# Altium PCB vme64x6U_ctrlc.PcbDoc (part 15 of 18) (continued)
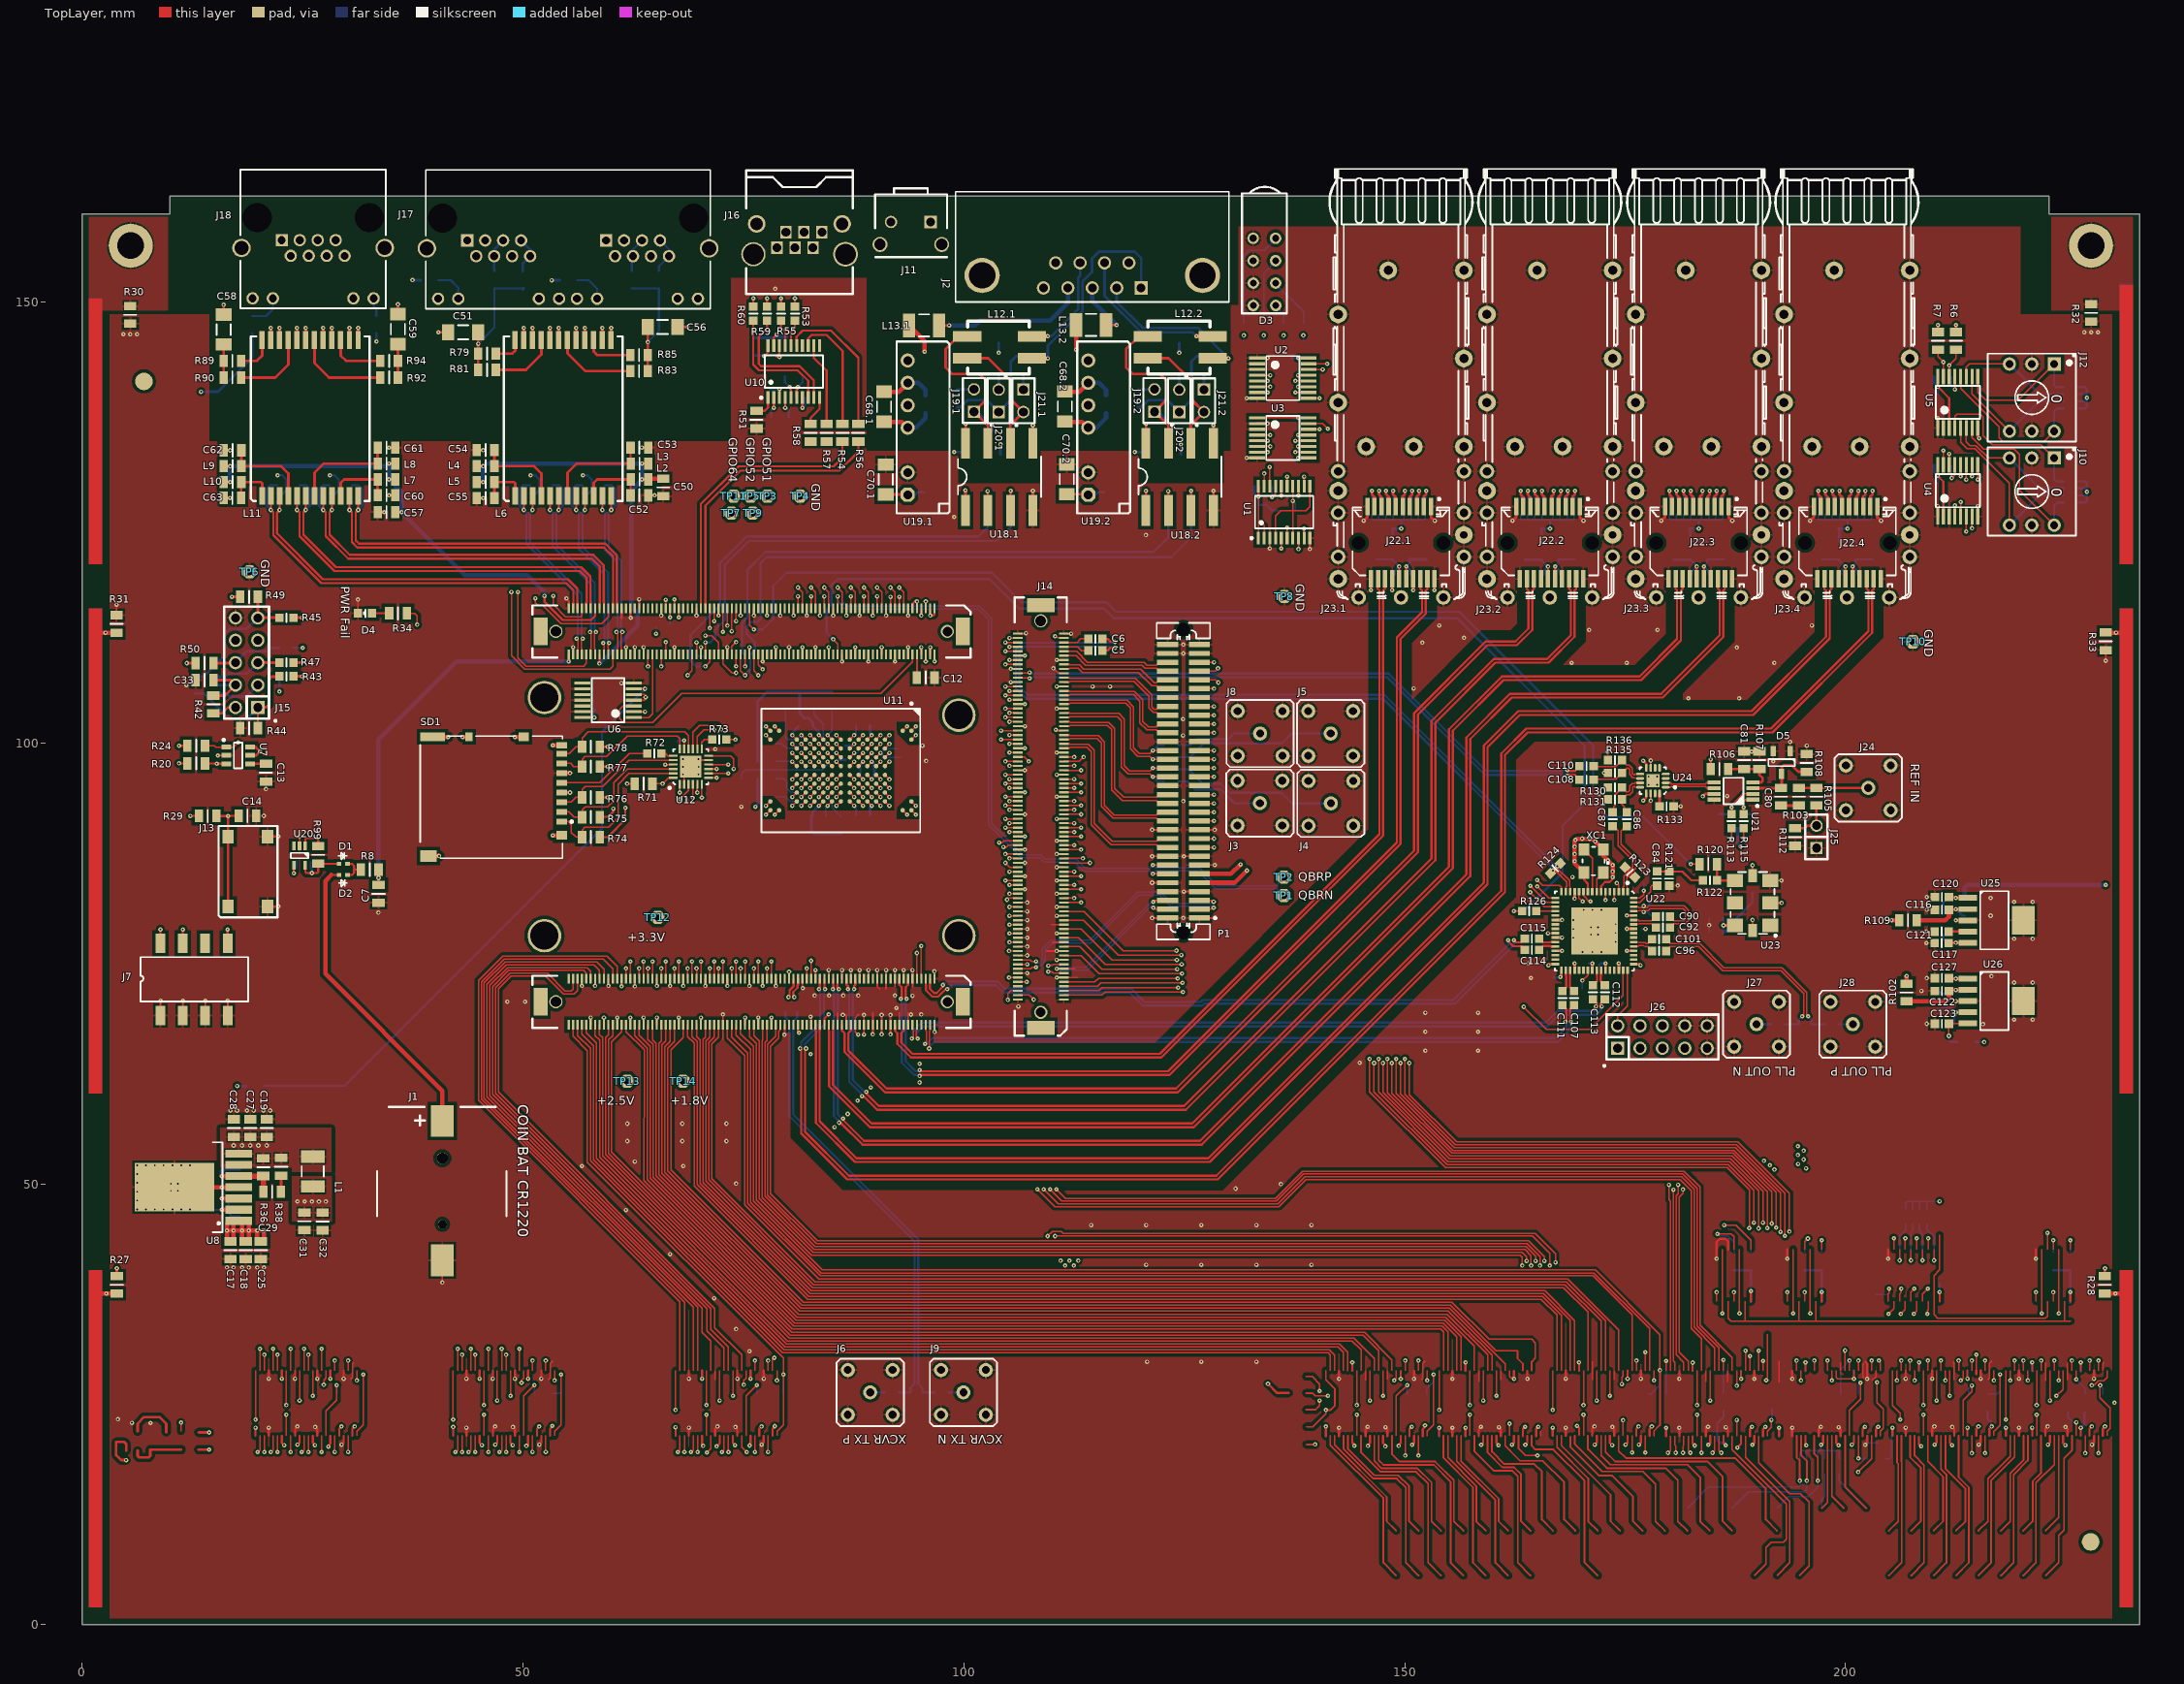
[diagram p0: TopLayer view]
## Nets (pads, with @x,y where several pads share a name; then routed paths per layer and width w, separated by ;. In a path a pad name is that pad's centre, name@x,y a point inside that pad or via, vN(x,y) a via of type N, cw(c..) or ccw(c..) an arc to the next point about the centre after c; other vN are vias at no path point) (continued)
  MidLayer4 w0.15: v1(112.5,93.4) 115.219,93.4 118.775,89.844 118.775,70.891 129.831,59.835 199.742,59.835 202.202,57.375 205.605,57.375 214.325,48.655 v1(214.325,29.95) v1@214.375,30
IO_CL13: J14.C95 | length 154.6
  TopLayer w0.15: J14.C95@111.325,94.4 v1(113.3,94.4) ; 215.825,28.825 v1(215.825,29.95)
  MidLayer4 w0.15: v1(113.3,94.4) 115.43,94.4 119.425,90.405 119.425,71.7 130.589,60.536 200.025,60.536 202.261,58.3 206.775,58.3 215.825,49.25 v1(215.825,29.95)
IO_CL14: J14.C97 | length 158.2
  TopLayer w0.15: J14.C97@111.325,94.9 v1(112.5,94.9) ; 221.6,36.675 v1(221.6,37.7)
  MidLayer4 w0.15: v1(112.5,94.9) 115.383,94.9 119.745,90.538 119.745,71.833 130.722,60.856 218.449,60.856 222.225,57.08 222.225,40.275 221.6,39.65 v1(221.6,37.7)
IO_CL15: J14.C99 | length 152.8
  TopLayer w0.15: J14.C99@111.325,95.4 v1(113.3,95.4) ; 222.9,42.575 v1(222.9,44.425)
  MidLayer4 w0.15: v1(113.3,95.4) 115.353,95.4 120.078,90.675 120.078,71.97 130.86,61.188 218.587,61.188 222.9,56.875 v1(222.9,44.425)
IO_CL16: J14.C101 | length 154.9
  TopLayer w0.15: J14.C101@111.325,95.9 v1(112.5,95.9) ; 223.55,42.575 v1(223.55,43.6)
  MidLayer4 w0.15: v1(112.5,95.9) 115.328,95.9 120.413,90.814 120.413,72.109 130.999,61.524 218.726,61.524 223.55,56.7 v1(223.55,43.6)
  BottomLayer w0.15: 223.55,42.2 v1(223.55,43.6)
IO_CL17: J14.C105 | length 161.3
  TopLayer w0.15: J14.C105@111.325,96.9 v1(113.3,96.9) ; 223.55,36.675 v1(223.55,37.7)
  MidLayer4 w0.15: v1(113.3,96.9) 115.83,96.9 122.15,90.58 122.15,70.848 131.138,61.86 218.865,61.86 224.2,56.525 224.2,40.1 223.55,39.45 v1(223.55,37.7)
IO_CL18: J14.C107 | length 157.5
  TopLayer w0.15: J14.C107@111.325,97.4 v1(112.5,97.4) ; 225.5,42.575 v1(225.5,43.6)
  MidLayer4 w0.15: v1(112.5,97.4) 115.784,97.4 122.471,90.713 122.471,70.981 131.271,62.181 218.998,62.181 224.86,56.319 224.86,50.895 225.5,50.255 v1(225.5,43.6)
  BottomLayer w0.15: 225.5,42.2 v1(225.5,43.6)
IO_CL19: J14.C109 | length 172
  TopLayer w0.15: J14.C109@111.325,97.9 113.085,97.9 v1(113.585,98.4) ; 227.675,28.825 v1(227.675,29.95)
  MidLayer4 w0.15: v1(113.585,98.4) 115.76,98.4 123.144,91.017 123.144,71.259 131.549,62.853 219.277,62.854 226.035,56.095 226.035,51.47 227.675,49.83 v1(227.675,29.95)
IO_CL20: J14.C111 | length 173
  TopLayer w0.15: J14.C111@111.325,98.4 v1(112.5,98.4) ; 228.675,28.825 v1(228.675,29.95)
  MidLayer4 w0.15: v1(112.5,98.4) 113.125,99.025 115.605,99.025 123.471,91.159 123.471,71.448 131.686,63.186 219.414,63.186 226.61,55.99 226.61,51.67 228.675,49.605 v1(228.675,29.95)
IO_CL21: J14.C115 P1.18 | length 21.4
  TopLayer w0.15: J14.C115@111.325,99.4 111.95,99.4 112.04,99.49 113.96,99.49 114.425,99.025 114.425,90.73 116.68,88.475 121.8,88.475 122.125,88.15 P1.18@123.1,88.15
IO_CL22: J14.C117 P1.20 | length 21.4
  TopLayer w0.15: J14.C117@111.325,99.9 111.95,99.9 112.01,99.84 114.105,99.84 114.775,99.17 114.775,90.875 116.825,88.825 121.8,88.825 122.125,89.15 P1.20@123.1,89.15
IO_CL23: J14.C119 P1.24 | length 19.9
  TopLayer w0.15: J14.C119@111.325,100.4 111.95,100.4 112.04,100.49 115.11,100.49 115.6,100 115.6,92.78 116.905,91.475 121.575,91.475 121.8,91.475 122.125,91.15 P1.24@123.1,91.15
IO_CL24: J14.C121 P1.26 | length 19.9
  TopLayer w0.15: J14.C121@111.325,100.9 111.95,100.9 112.01,100.84 115.255,100.84 115.95,100.145 115.95,92.925 117.05,91.825 121.575,91.825 121.8,91.825 122.125,92.15 P1.26@123.1,92.15
IO_CL25: J14.C125 P1.28 | length 19.5
  TopLayer w0.15: J14.C125@111.325,101.9 111.95,101.9 112.04,101.99 116.285,101.99 116.75,101.525 116.75,94.7 117.975,93.475 121.575,93.475 121.8,93.475 122.125,93.15 P1.28@123.1,93.15
IO_CL26: J14.C127 P1.30 | length 19.5
  TopLayer w0.15: J14.C127@111.325,102.4 111.95,102.4 112.01,102.34 116.43,102.34 117.1,101.67 117.1,94.845 118.12,93.825 121.575,93.825 121.8,93.825 122.125,94.15 P1.30@123.1,94.15
IO_CL27: J14.C129 P1.34 R9.2 R12.2 | length 19.2
  TopLayer w0.15: J14.C129@111.325,102.9 111.95,102.9 112.04,102.99 117.41,102.99 117.85,102.55 117.85,97.275 118.65,96.475 121.1,96.475 v1(121.425,96.15) P1.34@123.1,96.15
  BottomLayer w0.15: v1(121.425,96.15) 121.925,95.65 R9.2@122.725,95.65
IO_CL28: J14.C131 P1.36 R11.2 | length 19.1
  TopLayer w0.15: J14.C131@111.325,103.4 111.95,103.4 112.01,103.34 117.555,103.34 118.2,102.695 118.2,97.42 118.795,96.825 121.1,96.825 v1(121.425,97.15) P1.36@123.1,97.15
  BottomLayer w0.15: v1(121.425,97.15) 121.575,97 R11.2@122.725,97
IO_CL29: J14.C135 P1.38 R13.2 | length 18.5
  TopLayer w0.15: J14.C135@111.325,104.4 111.95,104.4 112.04,104.49 118.36,104.49 118.9,103.95 118.9,99.325 119.75,98.475 121.1,98.475 v1(121.425,98.15) P1.38@123.1,98.15
  BottomLayer w0.15: v1(121.425,98.15) 121.65,98.375 R13.2@122.725,98.375
IO_CL30: J14.C137 P1.40 R16.2 | length 18.7
  TopLayer w0.15: J14.C137@111.325,104.9 111.95,104.9 112.01,104.84 118.505,104.84 119.25,104.095 119.25,99.47 119.895,98.825 121.1,98.825 v1(121.425,99.15) P1.40@123.1,99.15
  BottomLayer w0.15: v1(121.425,99.15) 122.025,99.75 R16.2@122.725,99.75
IO_CL31: J14.C139 P1.44 | length 15.1
  TopLayer w0.15: J14.C139@111.325,105.4 111.95,105.4 112.04,105.49 119.21,105.49 119.95,104.75 119.95,102.275 120.75,101.475 121.8,101.475 122.125,101.15 P1.44@123.1,101.15
IO_CL32: J14.C141 P1.46 | length 15
  TopLayer w0.15: J14.C141@111.325,105.9 111.95,105.9 112.01,105.84 119.355,105.84 120.3,104.895 120.3,102.45 120.925,101.825 121.8,101.825 122.125,102.15 P1.46@123.1,102.15
IO_CL33: J14.C145 P1.48 | length 14.2
  TopLayer w0.15: J14.C145@111.325,106.9 111.95,106.9 112.04,106.99 119.285,106.99 120.975,105.3 120.975,103.972 121.472,103.475 121.8,103.475 122.125,103.15 P1.48@123.1,103.15
IO_CL34: J14.C147 P1.50 | length 14.2
  TopLayer w0.15: J14.C147@111.325,107.4 111.95,107.4 112.01,107.34 119.43,107.34 121.325,105.445 121.325,104.075 121.575,103.825 121.8,103.825 122.125,104.15 P1.50@123.1,104.15
IO_CL35: J14.C151 P1.54 | length 12.8
  TopLayer w0.15: J14.C151@111.325,108.4 111.95,108.4 112.04,108.49 112.96,108.49 113.45,108 119.8,108 121.325,106.475 121.8,106.475 122.125,106.15 P1.54@123.1,106.15
IO_CL36: J14.C153 P1.56 | length 12.8
  TopLayer w0.15: J14.C153@111.325,108.9 111.95,108.9 112.01,108.84 113.105,108.84 113.595,108.35 120.05,108.35 121.575,106.825 121.8,106.825 122.125,107.15 P1.56@123.1,107.15
IO_CL37: J14.C157 P1.58 | length 12.5
  TopLayer w0.15: J14.C157@111.325,109.9 112.725,109.9 113.8,108.825 120.225,108.825 120.575,108.475 121.8,108.475 122.125,108.15 P1.58@123.1,108.15
IO_CL38: J14.C159 P1.60 | length 12.6
  TopLayer w0.15: J14.C159@111.325,110.4 112.775,110.4 114.025,109.15 120.45,109.15 120.775,108.825 121.8,108.825 122.125,109.15 P1.60@123.1,109.15
IO_CL39: C5.1 J14.C161 | length 3
  TopLayer w0.15: J14.C161@111.325,110.9 112.925,110.9 113.35,110.475 C5.1@114.1,110.475
IO_CL40: C6.1 J14.C163 | length 2.9
  TopLayer w0.15: J14.C163@111.325,111.4 112.85,111.4 113.25,111.8 C6.1@114.1,111.8
IO_CL_FX1: J14.C3 | length 119.1
  TopLayer w0.15: J14.C3@111.325,71.4 115.675,71.4 116.025,71.75 v1(124.85,71.75) ; v1(147.525,63.7) 147.525,60.364 155.064,52.825 186.965,52.825 190.625,49.165 v1(190.625,45.6) ; v1(194.95,27.7) 194.95,28.825
  MidLayer3 w0.15: v1(124.85,71.75) 125.03,71.57 144.4,71.57 147.525,68.445 v1(147.525,63.7) ; v1(190.625,45.6) 190.625,44.575 190.921,44.279 190.921,34.541 192.697,32.765 194.68,32.765 194.95,32.495 v1(194.95,27.7)
IO_CL_FX2: J14.C5 | length 116.6
  TopLayer w0.15: J14.C5@111.325,71.9 115.325,71.9 115.675,72.25 v1(124.3,72.25) ; v1(147.025,64.175) 147.025,60.405 154.93,52.5 186.831,52.5 190.125,49.206 v1(190.125,44.95) ; 194.45,28.825 v1(194.45,29.95)
  MidLayer3 w0.15: v1(124.3,72.25) 124.3,71.6 124.65,71.25 144.02,71.25 147.025,68.245 v1(147.025,64.175) ; v1(190.125,44.95) 190.125,44.575 190.6,44.1 190.6,34.41 192.565,32.445 194.275,32.445 194.45,32.27 v1(194.45,29.95)
IO_CL_FX3: J14.C7 | length 116.1
  TopLayer w0.15: J14.C7@111.325,72.4 115.15,72.4 115.55,72.8 v1(124.8,72.8) ; v1(146.525,63.7) 146.525,60.424 154.789,52.16 186.69,52.16 189.6,49.25 v1(189.6,45.6) ; 190.15,28.8 v1(190.15,31.075)
  MidLayer3 w0.15: v1(124.8,72.8) 123.975,72.8 123.775,72.6 123.775,71.55 124.425,70.9 143.645,70.9 146.525,68.02 v1(146.525,63.7) ; v1(189.6,45.6) 189.6,44.6 190.271,43.929 190.271,33.646 190.15,33.525 v1(190.15,31.075) v1@190.175,31.1
IO_CL_FX4: J14.C9 | length 116.2
  TopLayer w0.15: J14.C9@111.325,72.9 114.85,72.9 115.25,73.3 v1(124.25,73.3) ; v1(146.025,64.175) 146.025,60.45 154.65,51.825 186.551,51.825 189.075,49.301 v1(189.075,44.97) ; 188.65,28.8 v1(188.65,31.075)
  MidLayer3 w0.15: v1(124.25,73.3) 123.9,73.3 123.35,72.75 123.35,71.325 124.15,70.525 143.35,70.525 146.025,67.85 v1(146.025,64.175) ; v1(188.65,31.075) 188.65,32.5 189.936,33.786 189.936,43.789 189.075,44.65 v1(189.075,44.97)
IO_CL_FX5: J14.C21 | length 120.3
  TopLayer w0.15: J14.C21@111.325,75.9 113.295,75.9 115.345,73.85 v1(124.75,73.85) ; v1(148.025,64.175) 148.025,60.324 155.199,53.15 187.1,53.15 191.125,49.125 v1(191.125,44.975) ; 196.45,28.825 v1(196.45,29.95)
  MidLayer3 w0.15: v1(124.75,73.85) 143.1,73.85 148.025,68.925 v1(148.025,64.175) ; v1(191.125,44.975) 191.125,44.6 191.241,44.484 191.241,34.674 192.83,33.085 196.06,33.085 196.45,32.695 v1(196.45,29.95)
IO_CL_FX6: J14.C25 | length 122.7
  TopLayer w0.15: J14.C25@111.325,76.9 113.12,76.9 115.67,74.35 v1(124.2,74.35) ; v1(148.525,63.7) 148.525,60.283 155.333,53.475 187.235,53.475 191.625,49.085 v1(191.625,45.5) ; 197.95,28.825 v1(197.95,29.95)
  MidLayer3 w0.15: v1(124.2,74.35) 143.65,74.35 148.525,69.475 v1(148.525,63.7) ; v1(191.625,45.5) 191.625,43.789 191.561,43.725 191.561,34.806 192.962,33.405 197.29,33.405 197.95,32.745 v1(197.95,29.95)
IO_CL_FX7: J14.C29 | length 126.5
  TopLayer w0.15: J14.C29@111.325,77.9 113.02,77.9 116.02,74.9 v1(124.7,74.9) ; v1(149.025,64.175) 149.025,60.243 155.468,53.8 187.369,53.8 192.125,49.044 v1(192.125,45.025) ; v1(198.45,27.7) 198.45,28.825
  MidLayer3 w0.15: v1(124.7,74.9) 144.15,74.9 149.025,70.025 v1(149.025,64.175) ; v1(192.125,45.025) 192.125,43.669 191.881,43.425 191.881,34.939 193.095,33.725 197.695,33.725 198.45,32.97 v1(198.45,27.7)
IO_CL_FX8: J14.C33 | length 126.3
  TopLayer w0.15: J14.C33@111.325,78.9 113.32,78.9 116.82,75.4 v1(124.15,75.4) ; v1(149.525,63.7) 149.525,60.203 155.603,54.125 187.504,54.125 192.625,49.004 v1(192.625,44.55) ; 199.95,28.825 v1(199.95,31.1)
  MidLayer3 w0.15: v1(124.15,75.4) 144.7,75.4 149.525,70.575 v1(149.525,63.7) ; v1(192.625,44.55) 192.625,43.45 192.201,43.026 192.201,35.071 193.228,34.045 198.35,34.045 199.95,32.445 v1(199.95,31.1)
IO_CL_FX9: J14.C37 | length 128.6
  TopLayer w0.15: J14.C37@111.325,79.9 113.57,79.9 117.52,75.95 v1(124.65,75.95) ; v1(150.025,64.175) 150.025,60.162 155.737,54.45 187.639,54.45 193.125,48.964 v1(193.125,44.1) ; 201.45,28.825 v1(201.45,29.95)
  MidLayer3 w0.15: v1(124.65,75.95) 145.2,75.95 150.025,71.125 v1(150.025,64.175) ; v1(193.125,44.1) 193.125,43.3 192.55,42.725 192.55,35.57 193.695,34.425 199.725,34.425 201.45,32.7 v1(201.45,29.95)
IO_CL_FX10: J14.C41 | length 139.9
  TopLayer w0.15: J14.C41@111.325,80.9 113.62,80.9 118.07,76.45 v1(124.1,76.45) ; v1(150.525,63.7) 150.525,60.122 155.872,54.775 187.773,54.775 193.625,48.923 v1(193.625,44.575) ; v1(203.575,27.5) 203.575,25.175 204.3,24.45 204.3,22.3 203.95,21.95 203.95,21.425 203.95,21.4
  MidLayer3 w0.15: v1(124.1,76.45) 145.75,76.45 150.525,71.675 v1(150.525,63.7) ; v1(193.625,44.575) 193.625,43.3 192.904,42.579 192.904,35.716 193.86,34.76 199.86,34.76 202.3,32.32 202.3,28.775 v1(203.575,27.5)
  BottomLayer w0.15: 203.525,26.125 203.575,26.175 v1(203.575,27.5)
IO_CL_FX11: J14.C45 | length 179
  TopLayer w0.15: J14.C45@111.325,81.9 v1(113.3,81.9) ; 213.325,21.425 213.325,25.475 214.325,26.475 v1(214.325,27.125)
  MidLayer3 w0.15: v1(113.3,81.9) 114.075,81.9 114.475,81.5 114.475,67.85 126.889,55.436 217.209,55.436 226.86,45.785 226.86,31.135 226.185,30.46 226.185,29.96 226.18,29.955 226.18,28.855 224.495,27.17 218.278,27.17 218.085,27.363 218.085,28.935 217.745,29.275 215.05,29.275 214.325,28.55 v1(214.325,27.125)
  BottomLayer w0.15: 213.95,26.125 213.95,26.75 v1(214.325,27.125)
IO_CL_FX12: J14.C47 | length 179.1
  TopLayer w0.15: J14.C47@111.325,82.4 v1(112.5,82.4) ; 216.825,21.425 216.825,21.9 217.525,22.6 v1(217.525,28.4)
  MidLayer3 w0.15: v1(112.5,82.4) 114.225,82.4 114.795,81.83 114.795,81.375 114.795,67.983 127.021,55.756 217.341,55.756 227.18,45.918 227.18,27.855 226.175,26.85 218.145,26.85 217.525,27.47 v1(217.525,28.4)
  BottomLayer w0.15: 216.1,26.175 217.2,26.175 217.525,26.5 v1(217.525,28.4)
IO_CL_FX13: J14.C51 | length 393.1
  TopLayer w0.15: v1(26.15,25.95) 26.15,28.825 ; v1(48.575,25.95) 48.575,28.825 ; v1(73.8,25.95) 73.8,28.825 ; J14.C51@111.325,83.4 v1(113.3,83.4) ; v1(147.55,25.95) 147.55,28.825 ; v1(160.4,25.95) 160.4,28.825 ; v1(173.275,25.95) 173.275,28.825 ; v1(211.825,25.95) 211.825,28.825 ; v1(223.925,25.95) 224.675,26.7 224.675,28.825
  TopLayer w0.2: 138.825,26.275 139.5,26.275 139.825,25.95 v1(141.3,25.95)
  MidLayer3 w0.15: v1(113.3,83.4) 113.9,83.4 115.115,82.185 115.115,68.115 127.154,56.076 217.474,56.076 227.5,46.05 227.5,32.42 229.375,30.545 229.375,26.628 228.697,25.95 v1(223.925,25.95)
  MidLayer3 w0.2: v1(26.15,25.95) v1(48.575,25.95) v1(73.8,25.95) 81.293,25.95 85.642,21.6 103.88,21.6 ; 103.88,21.605 108.225,25.95 v1(141.3,25.95) ; v1@141.325,25.925 v1(141.3,25.95) ; v1(223.925,25.95) v1(211.825,25.95) v1(173.275,25.95) v1(160.4,25.95) v1(147.55,25.95) v1(141.3,25.95)
IO_CL_FX14: J14.C53 | length 407.1
  TopLayer w0.15: v1(23.15,24.9) 23.15,28.825 ; v1(45.575,24.9) 45.575,28.825 ; v1(70.8,24.9) 70.8,28.825 ; J14.C53@111.325,83.9 v1(112.5,83.9) ; v1(144.55,24.9) 144.55,28.825 ; v1(157.4,24.9) 157.4,28.825 ; v1(170.275,24.9) 170.275,28.825 ; v1(183.15,24.9) 183.15,28.8 ; v1(208.825,24.9) 208.825,28.825 ; v1(221.675,24.9) 221.675,28.825
  MidLayer3 w0.15: v1(112.5,83.9) 114.175,83.9 115.44,82.635 115.44,68.25 127.288,56.401 217.608,56.401 227.825,46.185 227.825,32.555 229.7,30.68 229.7,26.5 228.83,25.63 224.73,25.63 224,24.9 v1(221.675,24.9)
  MidLayer3 w0.2: v1(23.15,24.9) v1(45.575,24.9) v1(70.8,24.9) 80.858,24.9 85.208,20.55 104.315,20.55 ; 104.315,20.555 108.66,24.9 v1(144.55,24.9) v1(157.4,24.9) v1(170.275,24.9) v1(183.15,24.9) v1(208.825,24.9) v1(221.675,24.9)
IO_CL_FX15: J14.C57 | length 351.5
  TopLayer w0.15: v1(67.3,24.35) 67.3,28.825 ; J14.C57@111.325,84.9 v1(113.3,84.9) ; v1(153.9,24.35) 153.9,28.825 ; v1(166.775,24.35) 166.775,28.825
  TopLayer w0.2: 138.85,22.45 139.575,22.45 141.05,23.925 v1(141.05,24.35) 141.59,24.35 142.06,24.82 142.06,26.77 141.05,27.78 141.05,28.825
  MidLayer3 w0.15: v1(113.3,84.9) 113.825,84.9 115.765,82.96 115.765,68.384 127.423,56.726 217.743,56.726 228.15,46.319 228.15,32.689 230.025,30.814 230.025,26.372 228.963,25.31 225.035,25.31 224.075,24.35 218.175,24.35
  MidLayer3 w0.2: v1(67.3,24.35) 80.63,24.35 84.98,20 104.543,20 ; 104.543,20.005 108.888,24.35 v1(141.05,24.35) v1(153.9,24.35) v1(166.775,24.35) 205.825,24.35 218.175,24.35
IO_CL_FX16: J14.C59 | length 398.1
  TopLayer w0.15: 23.15,21.425 v1(23.15,23.825) ; 45.575,21.425 v1(45.575,23.825) ; 70.8,21.425 v1(70.8,23.825) ; J14.C59@111.325,85.4 v1(112.5,85.4) ; 144.55,21.425 v1(144.55,23.825) ; 157.4,21.425 v1(157.4,23.825) ; 170.275,21.425 v1(170.275,23.825) ; 183.15,21.4 v1(183.15,23.825) ; 208.825,21.425 v1(208.825,23.825) ; 221.675,21.425 v1(221.675,23.825)
  MidLayer3 w0.15: v1(112.5,85.4) 113.925,85.4 116.105,83.22 116.105,68.525 127.564,57.066 217.889,57.066 228.475,46.48 228.475,32.825 230.36,30.94 230.36,26.235 229.1,24.975 225.275,24.975 224.125,23.825 v1(221.675,23.825)
  MidLayer3 w0.2: v1(23.15,23.825) v1(45.575,23.825) v1(70.8,23.825) ; 72.55,23.825 v1(70.8,23.825) ; 104.761,19.475 84.762,19.475 80.412,23.825 v1(70.8,23.825) ; 104.761,19.48 109.106,23.825 v1(144.55,23.825) v1(157.4,23.825) v1(183.15,23.825) v1(208.825,23.825) v1(221.675,23.825)
IO_CLK4N_AL26: J14.A87
IO_CR1: J14.C66 | length 79.8
  TopLayer w0.15: 76.3,28.825 v1(76.3,29.95) ; v1(105.175,86.9) J14.C66@106.125,86.9
  MidLayer4 w0.15: v1(76.3,29.95) 77.965,31.615 92.282,31.615 102.965,42.298 102.965,85.44 104.425,86.9 v1(105.175,86.9)
IO_CR2: J14.C68 | length 103.9
  TopLayer w0.15: 52.575,28.825 v1(52.575,29.95) ; v1(104.7,87.4) J14.C68@106.125,87.4
  MidLayer4 w0.15: v1(52.575,29.95) 54.56,31.935 92.15,31.935 102.645,42.43 102.645,85.92 104.125,87.4 v1(104.7,87.4)
IO_CR3: J14.C72 | length 106
  TopLayer w0.15: 51.075,28.825 v1(51.075,29.95) ; v1(104.475,88.2) 104.85,88.2 105.05,88.4 J14.C72@106.125,88.4
  MidLayer4 w0.15: v1(51.075,29.95) 53.38,32.255 92.017,32.255 102.325,42.563 102.325,86.3 103.85,87.825 104.1,87.825 v1(104.475,88.2)
IO_CR4: J14.C74 | length 127.3
  TopLayer w0.15: 30.15,28.825 v1(30.15,29.95) ; v1(104,88.7) 104.35,88.7 104.55,88.9 J14.C74@106.125,88.9
  MidLayer4 w0.15: v1(30.15,29.95) 32.775,32.575 91.885,32.575 102.005,42.695 102.005,86.68 v1@104.013,88.687
IO_CR5: J14.C78 | length 129.4
  TopLayer w0.15: 28.65,28.825 v1(28.65,29.95) ; v1(105.175,89.9) J14.C78@106.125,89.9
  MidLayer4 w0.15: v1(28.65,29.95) 31.6,32.9 91.75,32.9 101.68,42.83 101.68,87.105 104.475,89.9 v1(105.175,89.9)
IO_CR6: J14.C80 | length 160.9
  TopLayer w0.15: v1(104.7,90.4) J14.C80@106.125,90.4 ; 179.65,28.8 v1(179.65,29.925)
  MidLayer3 w0.15: v1(104.7,90.4) 103.26,88.96 103.26,68.141 116.326,55.075 193.45,55.075 194.255,54.27 v1(194.585,54.27)
  MidLayer4 w0.15: v1(179.65,29.925) 179.65,45.562 188.923,54.835 193.1,54.835 193.665,54.27 v1(194.585,54.27)
  BottomLayer w0.15: 179.65,26.15 v1(179.65,29.925)
IO_CR7: J14.C82 | length 162.4
  TopLayer w0.15: v1(105.175,90.9) J14.C82@106.125,90.9 ; 186.15,28.8 v1(186.15,30.025)
  MidLayer3 w0.15: v1(105.175,90.9) 104.275,90.9 102.94,89.565 102.94,68.008 116.193,54.755 193.145,54.755 194.14,53.76 v1(195.235,53.76)
  MidLayer4 w0.15: v1(186.15,30.025) 186.15,33.55 183.875,35.825 183.875,49.31 189.08,54.515 192.968,54.515 193.723,53.76 v1(195.235,53.76)
  BottomLayer w0.15: 186.15,26.275 v1@186.15,29.925
IO_CR8: J14.C84 | length 149.9
  TopLayer w0.15: v1(104.7,91.4) J14.C84@106.125,91.4 ; 185.375,36.675 v1(185.375,37.7)
  MidLayer3 w0.15: v1(104.7,91.4) 104.15,91.4 102.62,89.87 102.62,67.876 116.061,54.435 192.74,54.435 193.915,53.26 v1(194.585,53.26)
  MidLayer4 w0.15: v1(185.375,37.7) 184.21,38.865 184.21,49.095 189.31,54.195 192.835,54.195 193.77,53.26 v1(194.585,53.26)
IO_CR9: J14.C88 | length 151.6
  TopLayer w0.15: v1(105.175,92.4) J14.C88@106.125,92.4 ; v1(185.45,44.325) 187.025,44.325 187.325,44.025 187.325,42.575
  MidLayer3 w0.15: v1(105.175,92.4) 104.15,92.4 102.3,90.55 102.3,67.743 115.928,54.115 192.335,54.115 193.69,52.76 v1(195.235,52.76)
  MidLayer4 w0.15: v1@185.475,44.35 184.553,45.272 184.553,48.953 189.435,53.835 192.743,53.835 193.818,52.76 v1(195.235,52.76)
  BottomLayer w0.15: v1(185.45,44.325) 185.7,44.075 186.65,44.075 187.325,43.4 187.325,42.2
IO_CR10: J14.C90 | length 152.5
  TopLayer w0.15: v1(104.7,92.9) J14.C90@106.125,92.9 ; 187.325,36.675 v1(187.325,37.7)
  MidLayer3 w0.15: v1(104.7,92.9) 104.15,92.9 101.98,90.73 101.98,67.611 115.796,53.795 192.008,53.795 193.543,52.26 v1(194.61,52.26)
  MidLayer4 w0.15: v1(187.325,37.7) 187.325,43.475 184.884,45.916 184.884,48.816 189.578,53.51 192.615,53.51 193.865,52.26 v1(194.61,52.26)
IO_CR11: J14.C92 | length 155.8
  TopLayer w0.15: v1(105.175,93.4) J14.C92@106.125,93.4 ; v1@186.225,45.335 187.565,45.335 189.275,43.625 189.275,42.575
  MidLayer3 w0.15: v1(105.175,93.4) 104.15,93.4 101.635,90.885 101.635,67.468 115.653,53.45 191.85,53.45 193.54,51.76 v1(195.51,51.76)
  MidLayer4 w0.15: v1(186.225,45.325) 185.225,46.325 185.225,48.675 189.735,53.185 192.44,53.185 193.865,51.76 v1(195.51,51.76)
  BottomLayer w0.15: v1@186.225,45.335 187.565,45.335 189.275,43.625 189.275,42.2
IO_CR12: J14.C94 | length 157.8
  TopLayer w0.15: v1(104.7,93.9) J14.C94@106.125,93.9 ; 189.15,28.8 v1(189.15,30.475)
  MidLayer3 w0.15: v1(104.7,93.9) 103.35,93.9 96.99,87.54 96.99,76.315 98.165,75.14 99.59,75.14 101.315,73.415 101.315,67.335 115.721,52.929 187.976,52.929 188.295,52.61 v1(190.735,52.61)
  MidLayer4 w0.15: v1(189.15,30.475) 189.15,35.225 190.325,36.4 190.325,40.525 194.674,44.874 194.674,46.216 190.735,50.155 v1(190.735,52.61)
IO_CR13: J14.C98 | length 158.8
  TopLayer w0.15: v1(105.175,94.9) J14.C98@106.125,94.9 ; 190.65,28.8 v1(190.65,29.925)
  MidLayer3 w0.15: v1(105.175,94.9) 103.897,94.9 96.67,87.673 96.67,76.183 98.033,74.82 99.458,74.82 100.995,73.283 100.995,67.203 115.589,52.609 187.844,52.609 188.343,52.11 v1(191.41,52.11)
  MidLayer4 w0.15: v1(190.65,29.925) 190.65,40.375 195.01,44.735 195.01,46.355 191.41,49.955 v1(191.41,52.11)
IO_CR14: J14.C100 | length 189
  TopLayer w0.15: v1(104.7,95.4) J14.C100@106.125,95.4 ; 174.775,21.425 v1(174.775,23.2) ; 187.65,21.4 v1(187.65,23.225) ; 191.15,21.4 191.15,21.925 191.6,22.375 v1@191.6,23.1
  MidLayer3 w0.15: v1(104.7,95.4) 103.945,95.4 98.356,89.811 96.35,87.805 96.35,84.572 96.35,76.05 97.9,74.5 99.325,74.5 100.675,73.15 100.675,67.07 115.456,52.289 187.711,52.289 188.39,51.61 v1(191.935,51.61)
  MidLayer3 w0.2: v1(174.775,23.2) 191.5,23.2 v1@191.6,23.1
  MidLayer4 w0.15: v1@191.6,23.1 v1(191.6,23.225) 191.6,40.85 195.335,44.585 195.335,46.49 191.935,49.89 v1(191.935,51.61)
  BottomLayer w0.2: v1(191.6,23.225) 191.65,23.275 191.65,24.45
IO_CR15: J14.C102 | length 140.5
  TopLayer w0.15: v1(105.175,95.9) J14.C102@106.125,95.9 ; 193.4,36.675 v1(193.4,37.7)
  MidLayer4 w0.15: v1(105.175,95.9) 107.7,95.9 111.35,92.25 111.35,81.85 112.125,81.075 114.15,79.05 114.15,67.395 126.31,55.235 194.715,55.235 196.075,53.875 196.075,44.85 194.55,43.325 194.55,39.925 193.4,38.775 v1(193.4,37.7)
IO_CR16: J14.C104 | length 136.9
  TopLayer w0.15: v1(104.7,96.4) J14.C104@106.125,96.4 ; 195.35,42.575 195.35,43.425 v1(195.725,43.8)
  MidLayer4 w0.15: v1(104.7,96.4) 108.737,96.4 111.675,93.462 111.675,82.065 114.5,79.24 114.5,69.075 128.015,55.56 194.85,55.56 196.4,54.01 196.4,44.475 v1(195.725,43.8)
  BottomLayer w0.15: 195.35,42.2 195.35,43.425 v1(195.725,43.8)
IO_CR17: J14.C108 | length 141.1
  TopLayer w0.15: v1(105.175,97.4) J14.C108@106.125,97.4 ; 195.35,36.675 v1(195.35,37.7)
  MidLayer4 w0.15: v1(105.175,97.4) 108.196,97.4 112,93.596 112,82.2 114.829,79.371 114.829,69.211 128.151,55.889 194.986,55.889 196.72,54.155 196.72,40.245 195.35,38.875 v1(195.35,37.7)
IO_CR18: J14.C110 | length 189.1
  TopLayer w0.15: v1(104.7,97.9) J14.C110@106.125,97.9 ; 226.175,21.425 v1(226.175,22.95)
  MidLayer4 w0.15: v1(104.7,97.9) 106.05,97.9 106.55,98.4 108.175,98.4 108.68,97.895 115.785,97.895 122.804,90.876 122.804,71.119 131.409,62.514 219.136,62.514 225.435,56.215 225.435,51.22 227.175,49.48 227.175,27.35 226.175,26.35 v1(226.175,22.95)
  BottomLayer w0.15: 225.225,24.125 225.225,23.525 225.8,22.95 v1(226.175,22.95)
IO_CR19: J14.C112 | length 161
  TopLayer w0.15: J14.C112@106.125,98.4 106.85,98.4 v1(107.35,97.9) ; 214.825,28.825 v1(214.825,30.625)
  TopLayer w0.25: 214.825,28.4 214.825,28.825
  MidLayer4 w0.15: v1(107.35,97.9) 108.15,97.9 111.9,94.15 112.6,94.15 112.9,93.85 115.225,93.85 119.1,89.975 119.1,71.025 129.925,60.2 199.893,60.2 202.268,57.825 206.175,57.825 214.825,49.175 v1(214.825,30.625)
IO_CR20: J14.C114 | length 92.2
  TopLayer w0.15: 78.3,28.825 78.3,30.075 v1(78.5,30.275) ; v1(105.175,98.9) J14.C114@106.125,98.9
  MidLayer4 w0.15: v1(78.5,30.275) 79.18,30.955 92.566,30.955 103.63,42.019 103.63,85.105 104.325,85.8 104.6,85.8 104.825,85.8 105.7,86.675 105.7,91.525 105.4,91.825 104.975,91.825 103.95,92.85 103.95,97.975 104.875,98.9 v1(105.175,98.9)
IO_CR21: J14.C118 P1.17 | length 423.9
  TopLayer w0.15: v1@19.65,23.3 19.65,28.825 ; v1@42.075,23.3 42.075,28.825 ; v1(105.175,99.9) J14.C118@106.125,99.9 ; P1.17@126.7,88.15 v1(128.375,88.15) ; 205.325,28.825 205.325,24.85 206.2,23.975 v1(206.2,23.275) ; v1@218.175,23.3 218.175,28.825
  TopLayer w0.2: 138.85,20.45 v1(139.825,20.45)
  MidLayer3 w0.2: v1(19.65,23.275) v1(42.075,23.275) 80,23.275 84.275,19 105.15,19 107.8,21.65 139.825,21.65 ; v1(139.825,20.45) 139.825,21.65 ; v1(230.5,25.175) 229.9,24.575 225.5,24.575 224.2,23.275 v1(218.175,23.275) 196.4,23.275 194.775,21.65 139.825,21.65
  MidLayer4 w0.15: v1(105.175,99.9) 105.2,99.925 115.2,99.925 126.635,88.49 128.035,88.49 v1(128.375,88.15) 129.65,86.875 129.65,71.45 136,65.1 150.975,65.1 152.55,63.525 219.591,63.525 226.93,56.186 226.93,51.803 230.05,48.683 230.05,35.375 230.5,34.925 v1(230.5,25.175)
IO_CR22: J14.C120 P1.19 | length 32.7
  TopLayer w0.15: v1(104.2,100.4) J14.C120@106.125,100.4 ; P1.19@126.7,89.15 v1(128.375,89.15)
  MidLayer4 w0.15: v1@104.2,100.395 106.58,100.395 106.7,100.275 115.345,100.275 126.78,88.84 128.065,88.84 v1(128.375,89.15)
IO_CR23: J14.C122 P1.23 | length 29.9
  TopLayer w0.15: v1(105.175,100.9) J14.C122@106.125,100.9 ; P1.23@126.7,91.15 v1(128.375,91.15)
  MidLayer4 w0.15: v1(105.175,100.9) 106.575,100.9 106.85,100.625 115.525,100.625 124.66,91.49 128.035,91.49 v1(128.375,91.15)
IO_CR24: J14.C124 P1.25 | length 31.9
  TopLayer w0.15: v1(104.2,101.4) J14.C124@106.125,101.4 ; P1.25@126.7,92.15 v1(128.375,92.15)
  MidLayer4 w0.15: v1(104.2,101.4) 106.775,101.4 107.2,100.975 115.67,100.975 124.805,91.84 128.065,91.84 v1(128.375,92.15)
IO_CR25: J14.C128 P1.27 | length 29.7
  TopLayer w0.15: v1(105.175,102.4) J14.C128@106.125,102.4 ; P1.27@126.7,93.15 v1(128.375,93.15)
  MidLayer4 w0.15: v1(105.175,102.4) 107.35,102.4 107.625,102.125 115.05,102.125 120.525,96.65 122.475,96.65 125.635,93.49 128.035,93.49 v1(128.375,93.15)
IO_CR26: J14.C130 P1.29 | length 30.7
  TopLayer w0.15: v1(104.7,102.9) J14.C130@106.125,102.9 ; P1.29@126.7,94.15 v1(128.375,94.15)
  MidLayer4 w0.15: v1(104.7,102.9) 107.45,102.9 107.904,102.446 115.183,102.446 119.979,97.65 121.97,97.65 125.78,93.84 128.065,93.84 v1(128.375,94.15)
IO_CR27: J14.C132 P1.33 | length 28.8
  TopLayer w0.15: v1(105.175,103.4) J14.C132@106.125,103.4 ; P1.33@126.7,96.15 v1(128.375,96.15)
  MidLayer4 w0.15: v1(105.175,103.4) 107.575,103.4 108,102.975 118.375,102.975 124.86,96.49 128.035,96.49 v1(128.375,96.15)
IO_CR28: J14.C134 P1.35 | length 29.8
  TopLayer w0.15: v1(104.7,103.9) J14.C134@106.125,103.9 ; P1.35@126.7,97.15 v1(128.375,97.15)
  MidLayer4 w0.15: v1(104.7,103.9) 107.775,103.9 108.35,103.325 118.52,103.325 125.005,96.84 128.065,96.84 v1(128.375,97.15)
IO_CR29: J14.C138 P1.37 | length 28.6
  TopLayer w0.15: v1(105.175,104.9) J14.C138@106.125,104.9 ; P1.37@126.7,98.15 v1(128.375,98.15)
  MidLayer4 w0.15: v1(105.175,104.9) 107.325,104.9 107.775,104.45 119.025,104.45 124.985,98.49 128.035,98.49 v1(128.375,98.15)
IO_CR30: J14.C140 P1.39 | length 29.6
  TopLayer w0.15: v1(104.7,105.4) J14.C140@106.125,105.4 ; P1.39@126.7,99.15 v1(128.375,99.15)
  MidLayer4 w0.15: v1(104.7,105.4) 107.3,105.4 107.9,104.8 119.17,104.8 125.13,98.84 128.065,98.84 v1(128.375,99.15)
IO_CR31: J14.C142 P1.43 | length 27.8
  TopLayer w0.15: v1(105.175,105.9) J14.C142@106.125,105.9 ; P1.43@126.7,101.15 v1(128.375,101.15)
  MidLayer4 w0.15: v1(105.175,105.9) 107.625,105.9 108.075,105.45 120.575,105.45 124.535,101.49 128.035,101.49 v1(128.375,101.15)
IO_CR32: J14.C144 P1.45 | length 28.8
  TopLayer w0.15: v1(104.7,106.4) J14.C144@106.125,106.4 ; P1.45@126.7,102.15 v1(128.375,102.15)
  MidLayer4 w0.15: v1(104.7,106.4) 107.625,106.4 108.225,105.8 120.72,105.8 124.68,101.84 128.065,101.84 v1(128.375,102.15)
IO_CR33: C108.2 J14.C148 | length 68.7
  TopLayer w0.15: J14.C148@106.125,107.4 107.378,107.4 v1(107.45,107.327)
  TopLayer w0.25: v1(168.425,96.265) 168.548,96.388 169.313,96.388 C108.2@169.825,95.875
  BottomLayer w0.25: v1(107.45,107.327) 107.573,107.45 108.05,107.45 148.011,107.45 159.074,96.388 168.303,96.388 v1(168.425,96.265)
IO_CR34: C110.2 J14.C150 | length 68.7
  TopLayer w0.15: J14.C150@106.125,107.9 107.353,107.9 v1(107.45,107.997)
  TopLayer w0.25: v1(168.425,96.935) 168.548,96.813 169.313,96.813 C110.2@169.825,97.325
  BottomLayer w0.25: v1(107.45,107.997) 107.573,107.875 108.05,107.875 148.188,107.875 159.25,96.813 168.303,96.813 v1(168.425,96.935)